# KiCad board register-motherboard.kicad_pcb (continued)
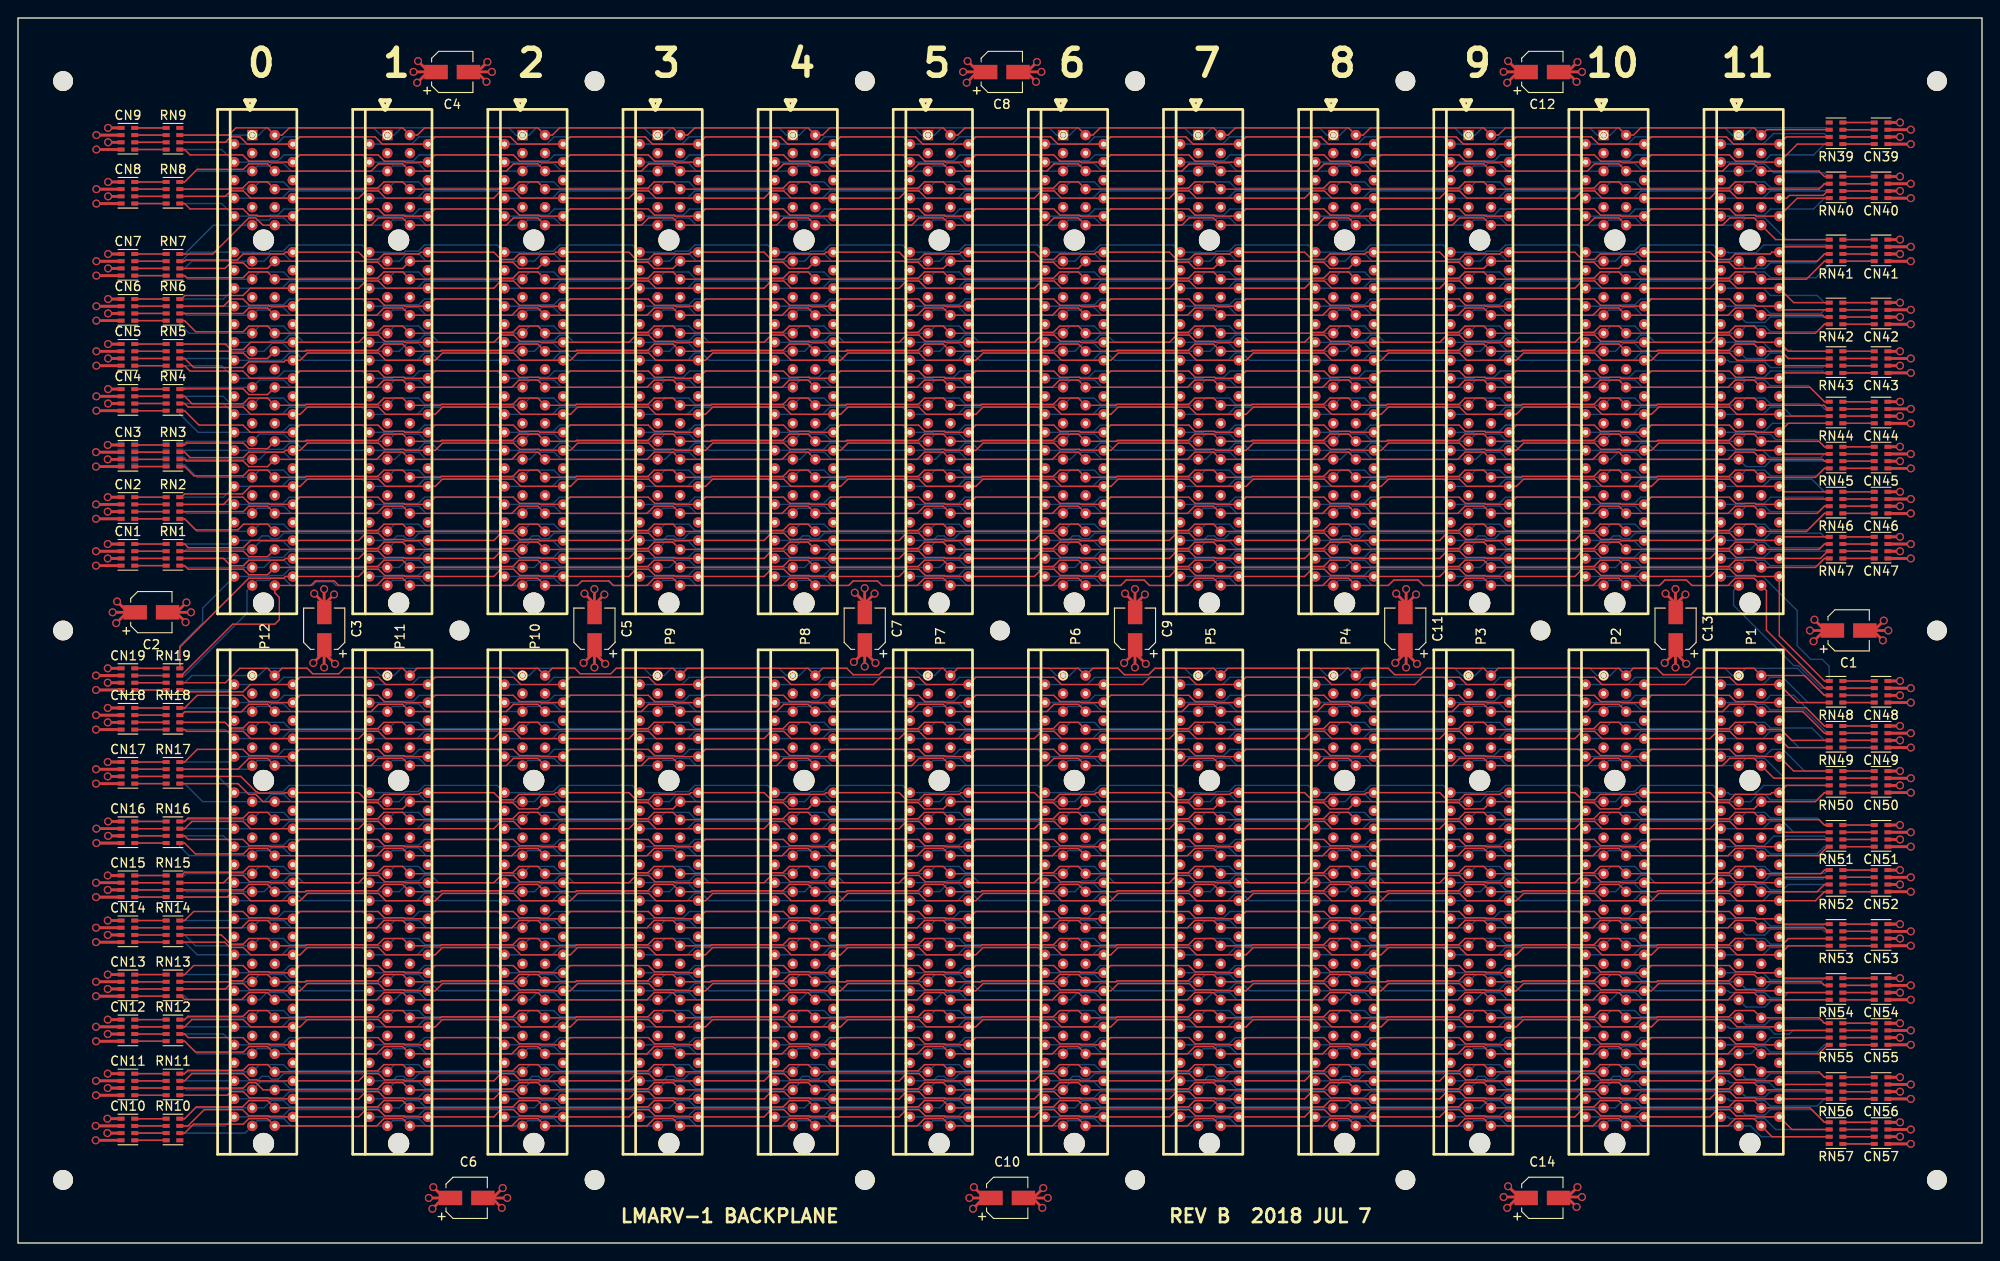
[diagram p0: board, top side]
## Nets (continued)
/rd[4]: P1.65 P2.65 P3.65 P4.65 P5.65 P6.65 P7.65 P8.65 P9.65 P10.65 P11.65 P12.65 RN35.6 RN70.7
/rd[5]: P1.64 P2.64 P3.64 P4.64 P5.64 P6.64 P7.64 P8.64 P9.64 P10.64 P11.64 P12.64 RN35.5 RN70.8
/rd[6]: P1.62 P2.62 P3.62 P4.62 P5.62 P6.62 P7.62 P8.62 P9.62 P10.62 P11.62 P12.62 RN36.8 RN69.5
/rd[7]: P1.61 P2.61 P3.61 P4.61 P5.61 P6.61 P7.61 P8.61 P9.61 P10.61 P11.61 P12.61 RN36.7 RN69.6
/rd[8]: P1.60 P2.60 P3.60 P4.60 P5.60 P6.60 P7.60 P8.60 P9.60 P10.60 P11.60 P12.60 RN36.6 RN69.7
/rd[9]: P1.59 P2.59 P3.59 P4.59 P5.59 P6.59 P7.59 P8.59 P9.59 P10.59 P11.59 P12.59 RN36.5 RN69.8
/rd[10]: P1.57 P2.57 P3.57 P4.57 P5.57 P6.57 P7.57 P8.57 P9.57 P10.57 P11.57 P12.57 RN37.8 RN68.5
/rd[11]: P1.56 P2.56 P3.56 P4.56 P5.56 P6.56 P7.56 P8.56 P9.56 P10.56 P11.56 P12.56 RN37.7 RN68.6
/rd[12]: P1.54 P2.54 P3.54 P4.54 P5.54 P6.54 P7.54 P8.54 P9.54 P10.54 P11.54 P12.54 RN37.6 RN68.7
/rd[13]: P1.53 P2.53 P3.53 P4.53 P5.53 P6.53 P7.53 P8.53 P9.53 P10.53 P11.53 P12.53 RN37.5 RN68.8
/rd[14]: P1.51 P2.51 P3.51 P4.51 P5.51 P6.51 P7.51 P8.51 P9.51 P10.51 P11.51 P12.51 RN38.8 RN67.5
/rd[15]: P1.50 P2.50 P3.50 P4.50 P5.50 P6.50 P7.50 P8.50 P9.50 P10.50 P11.50 P12.50 RN38.7 RN67.6
/rd[16]: P1.22 P2.22 P3.22 P4.22 P5.22 P6.22 P7.22 P8.22 P9.22 P10.22 P11.22 P12.22 RN24.5 RN62.8
/rd[17]: P1.21 P2.21 P3.21 P4.21 P5.21 P6.21 P7.21 P8.21 P9.21 P10.21 P11.21 P12.21 RN25.8 RN61.5
/rd[18]: P1.19 P2.19 P3.19 P4.19 P5.19 P6.19 P7.19 P8.19 P9.19 P10.19 P11.19 P12.19 RN25.7 RN61.6
/rd[19]: P1.18 P2.18 P3.18 P4.18 P5.18 P6.18 P7.18 P8.18 P9.18 P10.18 P11.18 P12.18 RN25.6 RN61.7
/rd[20]: P1.16 P2.16 P3.16 P4.16 P5.16 P6.16 P7.16 P8.16 P9.16 P10.16 P11.16 P12.16 RN25.5 RN61.8
/rd[21]: P1.15 P2.15 P3.15 P4.15 P5.15 P6.15 P7.15 P8.15 P9.15 P10.15 P11.15 P12.15 RN26.8 RN60.5
/rd[22]: P1.13 P2.13 P3.13 P4.13 P5.13 P6.13 P7.13 P8.13 P9.13 P10.13 P11.13 P12.13 RN26.7 RN60.6
/rd[23]: P1.12 P2.12 P3.12 P4.12 P5.12 P6.12 P7.12 P8.12 P9.12 P10.12 P11.12 P12.12 RN26.6 RN60.7
/rd[24]: P1.11 P2.11 P3.11 P4.11 P5.11 P6.11 P7.11 P8.11 P9.11 P10.11 P11.11 P12.11 RN26.5 RN60.8
/rd[25]: P1.10 P2.10 P3.10 P4.10 P5.10 P6.10 P7.10 P8.10 P9.10 P10.10 P11.10 P12.10 RN27.8 RN59.5
/rd[26]: P1.8 P2.8 P3.8 P4.8 P5.8 P6.8 P7.8 P8.8 P9.8 P10.8 P11.8 P12.8 RN27.7 RN59.6
/rd[27]: P1.7 P2.7 P3.7 P4.7 P5.7 P6.7 P7.7 P8.7 P9.7 P10.7 P11.7 P12.7 RN27.6 RN59.7
/rd[28]: P1.5 P2.5 P3.5 P4.5 P5.5 P6.5 P7.5 P8.5 P9.5 P10.5 P11.5 P12.5 RN27.5 RN59.8
/rd[29]: P1.4 P2.4 P3.4 P4.4 P5.4 P6.4 P7.4 P8.4 P9.4 P10.4 P11.4 P12.4 RN28.8 RN58.5
/rd[30]: P1.2 P2.2 P3.2 P4.2 P5.2 P6.2 P7.2 P8.2 P9.2 P10.2 P11.2 P12.2 RN28.7 RN58.6
/rd[31]: P1.1 P2.1 P3.1 P4.1 P5.1 P6.1 P7.1 P8.1 P9.1 P10.1 P11.1 P12.1 RN28.6 RN58.7
/rda[0]: P1.45 P2.45 P3.45 P4.45 P5.45 P6.45 P7.45 P8.45 P9.45 P10.45 P11.45 P12.45 RN20.6 RN66.7
/rda[1]: P1.46 P2.46 P3.46 P4.46 P5.46 P6.46 P7.46 P8.46 P9.46 P10.46 P11.46 P12.46 RN20.7 RN66.6
/rda[2]: P1.47 P2.47 P3.47 P4.47 P5.47 P6.47 P7.47 P8.47 P9.47 P10.47 P11.47 P12.47 RN20.8 RN66.5
/rda[3]: P1.48 P2.48 P3.48 P4.48 P5.48 P6.48 P7.48 P8.48 P9.48 P10.48 P11.48 P12.48 RN38.5 RN67.8
/rda[4]: P1.49 P2.49 P3.49 P4.49 P5.49 P6.49 P7.49 P8.49 P9.49 P10.49 P11.49 P12.49 RN38.6 RN67.7
/rs1[0]: P1.176 P2.176 P3.176 P4.176 P5.176 P6.176 P7.176 P8.176 P9.176 P10.176 P11.176 P12.176 RN14.6 RN53.7
/rs1[1]: P1.174 P2.174 P3.174 P4.174 P5.174 P6.174 P7.174 P8.174 P9.174 P10.174 P11.174 P12.174 RN14.7 RN53.6
/rs1[2]: P1.173 P2.173 P3.173 P4.173 P5.173 P6.173 P7.173 P8.173 P9.173 P10.173 P11.173 P12.173 RN14.8 RN53.5
/rs1[3]: P1.171 P2.171 P3.171 P4.171 P5.171 P6.171 P7.171 P8.171 P9.171 P10.171 P11.171 P12.171 RN15.5 RN52.8
/rs1[4]: P1.170 P2.170 P3.170 P4.170 P5.170 P6.170 P7.170 P8.170 P9.170 P10.170 P11.170 P12.170 RN15.6 RN52.7
/rs1[5]: P1.169 P2.169 P3.169 P4.169 P5.169 P6.169 P7.169 P8.169 P9.169 P10.169 P11.169 P12.169 RN15.7 RN52.6
/rs1[6]: P1.168 P2.168 P3.168 P4.168 P5.168 P6.168 P7.168 P8.168 P9.168 P10.168 P11.168 P12.168 RN15.8 RN52.5
/rs1[7]: P1.166 P2.166 P3.166 P4.166 P5.166 P6.166 P7.166 P8.166 P9.166 P10.166 P11.166 P12.166 RN16.5 RN51.8
/rs1[8]: P1.165 P2.165 P3.165 P4.165 P5.165 P6.165 P7.165 P8.165 P9.165 P10.165 P11.165 P12.165 RN16.6 RN51.7
/rs1[9]: P1.163 P2.163 P3.163 P4.163 P5.163 P6.163 P7.163 P8.163 P9.163 P10.163 P11.163 P12.163 RN16.7 RN51.6
/rs1[10]: P1.162 P2.162 P3.162 P4.162 P5.162 P6.162 P7.162 P8.162 P9.162 P10.162 P11.162 P12.162 RN16.8 RN51.5
/rs1[11]: P1.160 P2.160 P3.160 P4.160 P5.160 P6.160 P7.160 P8.160 P9.160 P10.160 P11.160 P12.160 RN17.5 RN50.8
/rs1[12]: P1.159 P2.159 P3.159 P4.159 P5.159 P6.159 P7.159 P8.159 P9.159 P10.159 P11.159 P12.159 RN17.6 RN50.7
/rs1[13]: P1.158 P2.158 P3.158 P4.158 P5.158 P6.158 P7.158 P8.158 P9.158 P10.158 P11.158 P12.158 RN17.7 RN50.6
/rs1[14]: P1.157 P2.157 P3.157 P4.157 P5.157 P6.157 P7.157 P8.157 P9.157 P10.157 P11.157 P12.157 RN17.8 RN50.5
/rs1[15]: P1.155 P2.155 P3.155 P4.155 P5.155 P6.155 P7.155 P8.155 P9.155 P10.155 P11.155 P12.155 RN18.5 RN49.8
/rs1[16]: P1.120 P2.120 P3.120 P4.120 P5.120 P6.120 P7.120 P8.120 P9.120 P10.120 P11.120 P12.120 RN5.8 RN43.5
/rs1[17]: P1.119 P2.119 P3.119 P4.119 P5.119 P6.119 P7.119 P8.119 P9.119 P10.119 P11.119 P12.119 RN6.5 RN42.8
/rs1[18]: P1.117 P2.117 P3.117 P4.117 P5.117 P6.117 P7.117 P8.117 P9.117 P10.117 P11.117 P12.117 RN6.6 RN42.7
/rs1[19]: P1.116 P2.116 P3.116 P4.116 P5.116 P6.116 P7.116 P8.116 P9.116 P10.116 P11.116 P12.116 RN6.7 RN42.6
/rs1[20]: P1.114 P2.114 P3.114 P4.114 P5.114 P6.114 P7.114 P8.114 P9.114 P10.114 P11.114 P12.114 RN6.8 RN42.5
/rs1[21]: P1.113 P2.113 P3.113 P4.113 P5.113 P6.113 P7.113 P8.113 P9.113 P10.113 P11.113 P12.113 RN7.5 RN41.8
/rs1[22]: P1.111 P2.111 P3.111 P4.111 P5.111 P6.111 P7.111 P8.111 P9.111 P10.111 P11.111 P12.111 RN7.6 RN41.7
/rs1[23]: P1.110 P2.110 P3.110 P4.110 P5.110 P6.110 P7.110 P8.110 P9.110 P10.110 P11.110 P12.110 RN7.7 RN41.6
/rs1[24]: P1.109 P2.109 P3.109 P4.109 P5.109 P6.109 P7.109 P8.109 P9.109 P10.109 P11.109 P12.109 RN7.8 RN41.5
/rs1[25]: P1.108 P2.108 P3.108 P4.108 P5.108 P6.108 P7.108 P8.108 P9.108 P10.108 P11.108 P12.108 RN8.5 RN40.8
/rs1[26]: P1.106 P2.106 P3.106 P4.106 P5.106 P6.106 P7.106 P8.106 P9.106 P10.106 P11.106 P12.106 RN8.6 RN40.7
/rs1[27]: P1.105 P2.105 P3.105 P4.105 P5.105 P6.105 P7.105 P8.105 P9.105 P10.105 P11.105 P12.105 RN8.7 RN40.6
/rs1[28]: P1.103 P2.103 P3.103 P4.103 P5.103 P6.103 P7.103 P8.103 P9.103 P10.103 P11.103 P12.103 RN8.8 RN40.5
/rs1[29]: P1.102 P2.102 P3.102 P4.102 P5.102 P6.102 P7.102 P8.102 P9.102 P10.102 P11.102 P12.102 RN9.5 RN39.8
/rs1[30]: P1.100 P2.100 P3.100 P4.100 P5.100 P6.100 P7.100 P8.100 P9.100 P10.100 P11.100 P12.100 RN9.6 RN39.7
/rs1[31]: P1.99 P2.99 P3.99 P4.99 P5.99 P6.99 P7.99 P8.99 P9.99 P10.99 P11.99 P12.99 RN9.7 RN39.6
/rs1a[0]: P1.154 P2.154 P3.154 P4.154 P5.154 P6.154 P7.154 P8.154 P9.154 P10.154 P11.154 P12.154 RN18.6 RN49.7
/rs1a[1]: P1.152 P2.152 P3.152 P4.152 P5.152 P6.152 P7.152 P8.152 P9.152 P10.152 P11.152 P12.152 RN18.7 RN49.6
/rs1a[2]: P1.151 P2.151 P3.151 P4.151 P5.151 P6.151 P7.151 P8.151 P9.151 P10.151 P11.151 P12.151 RN18.8 RN49.5
/rs1a[3]: P1.149 P2.149 P3.149 P4.149 P5.149 P6.149 P7.149 P8.149 P9.149 P10.149 P11.149 P12.149 RN19.5 RN48.8
/rs1a[4]: P1.148 P2.148 P3.148 P4.148 P5.148 P6.148 P7.148 P8.148 P9.148 P10.148 P11.148 P12.148 RN19.6 RN48.7
/rs2[0]: P1.93 P2.93 P3.93 P4.93 P5.93 P6.93 P7.93 P8.93 P9.93 P10.93 P11.93 P12.93 RN30.6 RN75.7
/rs2[1]: P1.92 P2.92 P3.92 P4.92 P5.92 P6.92 P7.92 P8.92 P9.92 P10.92 P11.92 P12.92 RN30.5 RN75.8
/rs2[2]: P1.90 P2.90 P3.90 P4.90 P5.90 P6.90 P7.90 P8.90 P9.90 P10.90 P11.90 P12.90 RN31.8 RN74.5
/rs2[3]: P1.89 P2.89 P3.89 P4.89 P5.89 P6.89 P7.89 P8.89 P9.89 P10.89 P11.89 P12.89 RN31.7 RN74.6
/rs2[4]: P1.87 P2.87 P3.87 P4.87 P5.87 P6.87 P7.87 P8.87 P9.87 P10.87 P11.87 P12.87 RN31.6 RN74.7
/rs2[5]: P1.86 P2.86 P3.86 P4.86 P5.86 P6.86 P7.86 P8.86 P9.86 P10.86 P11.86 P12.86 RN31.5 RN74.8
/rs2[6]: P1.84 P2.84 P3.84 P4.84 P5.84 P6.84 P7.84 P8.84 P9.84 P10.84 P11.84 P12.84 RN32.8 RN73.5
/rs2[7]: P1.83 P2.83 P3.83 P4.83 P5.83 P6.83 P7.83 P8.83 P9.83 P10.83 P11.83 P12.83 RN32.7 RN73.6
/rs2[8]: P1.82 P2.82 P3.82 P4.82 P5.82 P6.82 P7.82 P8.82 P9.82 P10.82 P11.82 P12.82 RN32.6 RN73.7
/rs2[9]: P1.81 P2.81 P3.81 P4.81 P5.81 P6.81 P7.81 P8.81 P9.81 P10.81 P11.81 P12.81 RN32.5 RN73.8
/rs2[10]: P1.79 P2.79 P3.79 P4.79 P5.79 P6.79 P7.79 P8.79 P9.79 P10.79 P11.79 P12.79 RN33.8 RN72.5
/rs2[11]: P1.78 P2.78 P3.78 P4.78 P5.78 P6.78 P7.78 P8.78 P9.78 P10.78 P11.78 P12.78 RN33.7 RN72.6
/rs2[12]: P1.76 P2.76 P3.76 P4.76 P5.76 P6.76 P7.76 P8.76 P9.76 P10.76 P11.76 P12.76 RN33.6 RN72.7
/rs2[13]: P1.75 P2.75 P3.75 P4.75 P5.75 P6.75 P7.75 P8.75 P9.75 P10.75 P11.75 P12.75 RN33.5 RN72.8
/rs2[14]: P1.73 P2.73 P3.73 P4.73 P5.73 P6.73 P7.73 P8.73 P9.73 P10.73 P11.73 P12.73 RN34.8 RN71.5
/rs2[15]: P1.72 P2.72 P3.72 P4.72 P5.72 P6.72 P7.72 P8.72 P9.72 P10.72 P11.72 P12.72 RN34.7 RN71.6
/rs2[16]: P1.44 P2.44 P3.44 P4.44 P5.44 P6.44 P7.44 P8.44 P9.44 P10.44 P11.44 P12.44 RN20.5 RN66.8
/rs2[17]: P1.43 P2.43 P3.43 P4.43 P5.43 P6.43 P7.43 P8.43 P9.43 P10.43 P11.43 P12.43 RN21.8 RN65.5
/rs2[18]: P1.41 P2.41 P3.41 P4.41 P5.41 P6.41 P7.41 P8.41 P9.41 P10.41 P11.41 P12.41 RN21.7 RN65.6
/rs2[19]: P1.40 P2.40 P3.40 P4.40 P5.40 P6.40 P7.40 P8.40 P9.40 P10.40 P11.40 P12.40 RN21.6 RN65.7
/rs2[20]: P1.38 P2.38 P3.38 P4.38 P5.38 P6.38 P7.38 P8.38 P9.38 P10.38 P11.38 P12.38 RN21.5 RN65.8
/rs2[21]: P1.37 P2.37 P3.37 P4.37 P5.37 P6.37 P7.37 P8.37 P9.37 P10.37 P11.37 P12.37 RN22.8 RN64.5
/rs2[22]: P1.35 P2.35 P3.35 P4.35 P5.35 P6.35 P7.35 P8.35 P9.35 P10.35 P11.35 P12.35 RN22.7 RN64.6
/rs2[23]: P1.34 P2.34 P3.34 P4.34 P5.34 P6.34 P7.34 P8.34 P9.34 P10.34 P11.34 P12.34 RN22.6 RN64.7
/rs2[24]: P1.33 P2.33 P3.33 P4.33 P5.33 P6.33 P7.33 P8.33 P9.33 P10.33 P11.33 P12.33 RN22.5 RN64.8
/rs2[25]: P1.32 P2.32 P3.32 P4.32 P5.32 P6.32 P7.32 P8.32 P9.32 P10.32 P11.32 P12.32 RN23.8 RN63.5
/rs2[26]: P1.30 P2.30 P3.30 P4.30 P5.30 P6.30 P7.30 P8.30 P9.30 P10.30 P11.30 P12.30 RN23.7 RN63.6
/rs2[27]: P1.29 P2.29 P3.29 P4.29 P5.29 P6.29 P7.29 P8.29 P9.29 P10.29 P11.29 P12.29 RN23.6 RN63.7
/rs2[28]: P1.27 P2.27 P3.27 P4.27 P5.27 P6.27 P7.27 P8.27 P9.27 P10.27 P11.27 P12.27 RN23.5 RN63.8
/rs2[29]: P1.26 P2.26 P3.26 P4.26 P5.26 P6.26 P7.26 P8.26 P9.26 P10.26 P11.26 P12.26 RN24.8 RN62.5
/rs2[30]: P1.24 P2.24 P3.24 P4.24 P5.24 P6.24 P7.24 P8.24 P9.24 P10.24 P11.24 P12.24 RN24.7 RN62.6
/rs2[31]: P1.23 P2.23 P3.23 P4.23 P5.23 P6.23 P7.23 P8.23 P9.23 P10.23 P11.23 P12.23 RN24.6 RN62.7
/rs2a[0]: P1.147 P2.147 P3.147 P4.147 P5.147 P6.147 P7.147 P8.147 P9.147 P10.147 P11.147 P12.147 RN19.7 RN48.6
/rs2a[1]: P1.146 P2.146 P3.146 P4.146 P5.146 P6.146 P7.146 P8.146 P9.146 P10.146 P11.146 P12.146 RN19.8 RN48.5
/rs2a[2]: P1.145 P2.145 P3.145 P4.145 P5.145 P6.145 P7.145 P8.145 P9.145 P10.145 P11.145 P12.145 RN1.5 RN47.8
/rs2a[3]: P1.144 P2.144 P3.144 P4.144 P5.144 P6.144 P7.144 P8.144 P9.144 P10.144 P11.144 P12.144 RN1.6 RN47.7
/rs2a[4]: P1.143 P2.143 P3.143 P4.143 P5.143 P6.143 P7.143 P8.143 P9.143 P10.143 P11.143 P12.143 RN1.7 RN47.6
/~{alu_oe}: P1.187 P2.187 P3.187 P4.187 P5.187 P6.187 P7.187 P8.187 P9.187 P10.187 P11.187 P12.187 RN12.6 RN55.7
/~{BOOT_ALU_EN}: P1.193 P2.193 P3.193 P4.193 P5.193 P6.193 P7.193 P8.193 P9.193 P10.193 P11.193 P12.193 RN11.5 RN56.8
/~{BOOT_RST}: P1.195 P2.195 P3.195 P4.195 P5.195 P6.195 P7.195 P8.195 P9.195 P10.195 P11.195 P12.195 RN10.7 RN57.6
/~{BOOT_WR}: P1.196 P2.196 P3.196 P4.196 P5.196 P6.196 P7.196 P8.196 P9.196 P10.196 P11.196 P12.196 RN10.6 RN57.7
/~{rd_bhh}: P1.121 P2.121 P3.121 P4.121 P5.121 P6.121 P7.121 P8.121 P9.121 P10.121 P11.121 P12.121 RN5.7 RN43.6
/~{rd_bhl}: P1.122 P2.122 P3.122 P4.122 P5.122 P6.122 P7.122 P8.122 P9.122 P10.122 P11.122 P12.122 RN5.6 RN43.7
/~{rd_blh}: P1.177 P2.177 P3.177 P4.177 P5.177 P6.177 P7.177 P8.177 P9.177 P10.177 P11.177 P12.177 RN14.5 RN53.8
/~{rd_bll}: P1.179 P2.179 P3.179 P4.179 P5.179 P6.179 P7.179 P8.179 P9.179 P10.179 P11.179 P12.179 RN13.8 RN54.5
/~{rd_wr}: P1.124 P2.124 P3.124 P4.124 P5.124 P6.124 P7.124 P8.124 P9.124 P10.124 P11.124 P12.124 RN5.5 RN43.8
/~{rs1_bhh}: P1.130 P2.130 P3.130 P4.130 P5.130 P6.130 P7.130 P8.130 P9.130 P10.130 P11.130 P12.130 RN4.5 RN44.8
/~{rs1_bhl}: P1.131 P2.131 P3.131 P4.131 P5.131 P6.131 P7.131 P8.131 P9.131 P10.131 P11.131 P12.131 RN3.8 RN45.5
/~{rs1_blh}: P1.182 P2.182 P3.182 P4.182 P5.182 P6.182 P7.182 P8.182 P9.182 P10.182 P11.182 P12.182 RN13.5 RN54.8
/~{rs1_bll}: P1.184 P2.184 P3.184 P4.184 P5.184 P6.184 P7.184 P8.184 P9.184 P10.184 P11.184 P12.184 RN12.8 RN55.5
/~{rs1_rd}: P1.132 P2.132 P3.132 P4.132 P5.132 P6.132 P7.132 P8.132 P9.132 P10.132 P11.132 P12.132 RN3.7 RN45.6
/~{rs2_bhh}: P1.125 P2.125 P3.125 P4.125 P5.125 P6.125 P7.125 P8.125 P9.125 P10.125 P11.125 P12.125 RN4.8 RN44.5
/~{rs2_bhl}: P1.127 P2.127 P3.127 P4.127 P5.127 P6.127 P7.127 P8.127 P9.127 P10.127 P11.127 P12.127 RN4.7 RN44.6
/~{rs2_blh}: P1.180 P2.180 P3.180 P4.180 P5.180 P6.180 P7.180 P8.180 P9.180 P10.180 P11.180 P12.180 RN13.7 RN54.6
/~{rs2_bll}: P1.181 P2.181 P3.181 P4.181 P5.181 P6.181 P7.181 P8.181 P9.181 P10.181 P11.181 P12.181 RN13.6 RN54.7
/~{rs2_rd}: P1.128 P2.128 P3.128 P4.128 P5.128 P6.128 P7.128 P8.128 P9.128 P10.128 P11.128 P12.128 RN4.6 RN44.7
Net-(CN1-Pad5): CN1.5 RN1.4
Net-(CN1-Pad6): CN1.6 RN1.3
Net-(CN1-Pad7): CN1.7 RN1.2
Net-(CN1-Pad8): CN1.8 RN1.1
Net-(CN2-Pad5): CN2.5 RN2.4
Net-(CN2-Pad6): CN2.6 RN2.3
Net-(CN2-Pad7): CN2.7 RN2.2
Net-(CN2-Pad8): CN2.8 RN2.1
Net-(CN3-Pad5): CN3.5 RN3.4
Net-(CN3-Pad6): CN3.6 RN3.3
Net-(CN3-Pad7): CN3.7 RN3.2
Net-(CN3-Pad8): CN3.8 RN3.1
Net-(CN4-Pad5): CN4.5 RN4.4
Net-(CN4-Pad6): CN4.6 RN4.3
Net-(CN4-Pad7): CN4.7 RN4.2
Net-(CN4-Pad8): CN4.8 RN4.1
Net-(CN5-Pad5): CN5.5 RN5.4
Net-(CN5-Pad6): CN5.6 RN5.3
Net-(CN5-Pad7): CN5.7 RN5.2
Net-(CN5-Pad8): CN5.8 RN5.1
Net-(CN6-Pad5): CN6.5 RN6.4
Net-(CN6-Pad6): CN6.6 RN6.3
Net-(CN6-Pad7): CN6.7 RN6.2
Net-(CN6-Pad8): CN6.8 RN6.1
Net-(CN7-Pad5): CN7.5 RN7.4
Net-(CN7-Pad6): CN7.6 RN7.3
Net-(CN7-Pad7): CN7.7 RN7.2
Net-(CN7-Pad8): CN7.8 RN7.1
Net-(CN8-Pad5): CN8.5 RN8.4
Net-(CN8-Pad6): CN8.6 RN8.3
Net-(CN8-Pad7): CN8.7 RN8.2
Net-(CN8-Pad8): CN8.8 RN8.1
Net-(CN9-Pad5): CN9.5 RN9.4
Net-(CN9-Pad6): CN9.6 RN9.3
Net-(CN9-Pad7): CN9.7 RN9.2
Net-(CN9-Pad8): CN9.8 RN9.1
Net-(CN10-Pad5): CN10.5 RN10.4
Net-(CN10-Pad6): CN10.6 RN10.3
Net-(CN10-Pad7): CN10.7 RN10.2
Net-(CN10-Pad8): CN10.8 RN10.1
Net-(CN11-Pad5): CN11.5 RN11.4
Net-(CN11-Pad6): CN11.6 RN11.3
Net-(CN11-Pad7): CN11.7 RN11.2
Net-(CN11-Pad8): CN11.8 RN11.1
Net-(CN12-Pad5): CN12.5 RN12.4
Net-(CN12-Pad6): CN12.6 RN12.3
Net-(CN12-Pad7): CN12.7 RN12.2
Net-(CN12-Pad8): CN12.8 RN12.1
Net-(CN13-Pad5): CN13.5 RN13.4
Net-(CN13-Pad6): CN13.6 RN13.3
Net-(CN13-Pad7): CN13.7 RN13.2
Net-(CN13-Pad8): CN13.8 RN13.1
Net-(CN14-Pad5): CN14.5 RN14.4
Net-(CN14-Pad6): CN14.6 RN14.3
Net-(CN14-Pad7): CN14.7 RN14.2
Net-(CN14-Pad8): CN14.8 RN14.1
Net-(CN15-Pad5): CN15.5 RN15.4
Net-(CN15-Pad6): CN15.6 RN15.3
Net-(CN15-Pad7): CN15.7 RN15.2
Net-(CN15-Pad8): CN15.8 RN15.1
Net-(CN16-Pad5): CN16.5 RN16.4
Net-(CN16-Pad6): CN16.6 RN16.3
Net-(CN16-Pad7): CN16.7 RN16.2
Net-(CN16-Pad8): CN16.8 RN16.1
Net-(CN17-Pad5): CN17.5 RN17.4
Net-(CN17-Pad6): CN17.6 RN17.3
Net-(CN17-Pad7): CN17.7 RN17.2
Net-(CN17-Pad8): CN17.8 RN17.1
Net-(CN18-Pad5): CN18.5 RN18.4
Net-(CN18-Pad6): CN18.6 RN18.3
Net-(CN18-Pad7): CN18.7 RN18.2
Net-(CN18-Pad8): CN18.8 RN18.1
Net-(CN19-Pad5): CN19.5 RN19.4
Net-(CN19-Pad6): CN19.6 RN19.3
Net-(CN19-Pad7): CN19.7 RN19.2
Net-(CN19-Pad8): CN19.8 RN19.1
Net-(CN20-Pad5): CN20.5 RN20.4
Net-(CN20-Pad6): CN20.6 RN20.3
Net-(CN20-Pad7): CN20.7 RN20.2
Net-(CN20-Pad8): CN20.8 RN20.1
Net-(CN21-Pad5): CN21.5 RN21.4
Net-(CN21-Pad6): CN21.6 RN21.3
Net-(CN21-Pad7): CN21.7 RN21.2
Net-(CN21-Pad8): CN21.8 RN21.1
Net-(CN22-Pad5): CN22.5 RN22.4
Net-(CN22-Pad6): CN22.6 RN22.3
Net-(CN22-Pad7): CN22.7 RN22.2
Net-(CN22-Pad8): CN22.8 RN22.1
Net-(CN23-Pad5): CN23.5 RN23.4
Net-(CN23-Pad6): CN23.6 RN23.3
Net-(CN23-Pad7): CN23.7 RN23.2
Net-(CN23-Pad8): CN23.8 RN23.1
Net-(CN24-Pad5): CN24.5 RN24.4
Net-(CN24-Pad6): CN24.6 RN24.3
Net-(CN24-Pad7): CN24.7 RN24.2
Net-(CN24-Pad8): CN24.8 RN24.1
Net-(CN25-Pad5): CN25.5 RN25.4
Net-(CN25-Pad6): CN25.6 RN25.3
Net-(CN25-Pad7): CN25.7 RN25.2
Net-(CN25-Pad8): CN25.8 RN25.1
Net-(CN26-Pad5): CN26.5 RN26.4
Net-(CN26-Pad6): CN26.6 RN26.3
Net-(CN26-Pad7): CN26.7 RN26.2
Net-(CN26-Pad8): CN26.8 RN26.1
Net-(CN27-Pad5): CN27.5 RN27.4
Net-(CN27-Pad6): CN27.6 RN27.3
Net-(CN27-Pad7): CN27.7 RN27.2
Net-(CN27-Pad8): CN27.8 RN27.1
Net-(CN28-Pad5): CN28.5 RN28.4
Net-(CN28-Pad6): CN28.6 RN28.3
Net-(CN28-Pad7): CN28.7 RN28.2
Net-(CN28-Pad8): CN28.8 RN28.1
Net-(CN29-Pad5): CN29.5 RN29.4
Net-(CN29-Pad6): CN29.6 RN29.3
Net-(CN29-Pad7): CN29.7 RN29.2
Net-(CN29-Pad8): CN29.8 RN29.1
Net-(CN30-Pad5): CN30.5 RN30.4
Net-(CN30-Pad6): CN30.6 RN30.3
Net-(CN30-Pad7): CN30.7 RN30.2
Net-(CN30-Pad8): CN30.8 RN30.1
Net-(CN31-Pad5): CN31.5 RN31.4
Net-(CN31-Pad6): CN31.6 RN31.3
Net-(CN31-Pad7): CN31.7 RN31.2
Net-(CN31-Pad8): CN31.8 RN31.1
Net-(CN32-Pad5): CN32.5 RN32.4
Net-(CN32-Pad6): CN32.6 RN32.3
Net-(CN32-Pad7): CN32.7 RN32.2
Net-(CN32-Pad8): CN32.8 RN32.1
Net-(CN33-Pad5): CN33.5 RN33.4
Net-(CN33-Pad6): CN33.6 RN33.3
Net-(CN33-Pad7): CN33.7 RN33.2
Net-(CN33-Pad8): CN33.8 RN33.1
Net-(CN34-Pad5): CN34.5 RN34.4
Net-(CN34-Pad6): CN34.6 RN34.3
Net-(CN34-Pad7): CN34.7 RN34.2
Net-(CN34-Pad8): CN34.8 RN34.1
Net-(CN35-Pad5): CN35.5 RN35.4
Net-(CN35-Pad6): CN35.6 RN35.3
Net-(CN35-Pad7): CN35.7 RN35.2
Net-(CN35-Pad8): CN35.8 RN35.1
Net-(CN36-Pad5): CN36.5 RN36.4
Net-(CN36-Pad6): CN36.6 RN36.3
Net-(CN36-Pad7): CN36.7 RN36.2
Net-(CN36-Pad8): CN36.8 RN36.1
Net-(CN37-Pad5): CN37.5 RN37.4
Net-(CN37-Pad6): CN37.6 RN37.3
Net-(CN37-Pad7): CN37.7 RN37.2
Net-(CN37-Pad8): CN37.8 RN37.1
Net-(CN38-Pad5): CN38.5 RN38.4
Net-(CN38-Pad6): CN38.6 RN38.3
Net-(CN38-Pad7): CN38.7 RN38.2
Net-(CN38-Pad8): CN38.8 RN38.1
Net-(CN39-Pad5): CN39.5 RN39.4
Net-(CN39-Pad6): CN39.6 RN39.3
Net-(CN39-Pad7): CN39.7 RN39.2
Net-(CN39-Pad8): CN39.8 RN39.1
Net-(CN40-Pad5): CN40.5 RN40.4
Net-(CN40-Pad6): CN40.6 RN40.3
Net-(CN40-Pad7): CN40.7 RN40.2
Net-(CN40-Pad8): CN40.8 RN40.1
Net-(CN41-Pad5): CN41.5 RN41.4
Net-(CN41-Pad6): CN41.6 RN41.3
Net-(CN41-Pad7): CN41.7 RN41.2
Net-(CN41-Pad8): CN41.8 RN41.1
Net-(CN42-Pad5): CN42.5 RN42.4
Net-(CN42-Pad6): CN42.6 RN42.3
Net-(CN42-Pad7): CN42.7 RN42.2
Net-(CN42-Pad8): CN42.8 RN42.1
Net-(CN43-Pad5): CN43.5 RN43.4
Net-(CN43-Pad6): CN43.6 RN43.3
Net-(CN43-Pad7): CN43.7 RN43.2
Net-(CN43-Pad8): CN43.8 RN43.1
Net-(CN44-Pad5): CN44.5 RN44.4
Net-(CN44-Pad6): CN44.6 RN44.3
Net-(CN44-Pad7): CN44.7 RN44.2
Net-(CN44-Pad8): CN44.8 RN44.1
Net-(CN45-Pad5): CN45.5 RN45.4
Net-(CN45-Pad6): CN45.6 RN45.3
Net-(CN45-Pad7): CN45.7 RN45.2
Net-(CN45-Pad8): CN45.8 RN45.1
Net-(CN46-Pad5): CN46.5 RN46.4
Net-(CN46-Pad6): CN46.6 RN46.3
Net-(CN46-Pad7): CN46.7 RN46.2
Net-(CN46-Pad8): CN46.8 RN46.1
Net-(CN47-Pad5): CN47.5 RN47.4
Net-(CN47-Pad6): CN47.6 RN47.3
Net-(CN47-Pad7): CN47.7 RN47.2
Net-(CN47-Pad8): CN47.8 RN47.1
Net-(CN48-Pad5): CN48.5 RN48.4
Net-(CN48-Pad6): CN48.6 RN48.3
Net-(CN48-Pad7): CN48.7 RN48.2
Net-(CN48-Pad8): CN48.8 RN48.1
Net-(CN49-Pad5): CN49.5 RN49.4
Net-(CN49-Pad6): CN49.6 RN49.3
Net-(CN49-Pad7): CN49.7 RN49.2
Net-(CN49-Pad8): CN49.8 RN49.1
Net-(CN50-Pad5): CN50.5 RN50.4
Net-(CN50-Pad6): CN50.6 RN50.3
Net-(CN50-Pad7): CN50.7 RN50.2
Net-(CN50-Pad8): CN50.8 RN50.1
Net-(CN51-Pad5): CN51.5 RN51.4
Net-(CN51-Pad6): CN51.6 RN51.3
Net-(CN51-Pad7): CN51.7 RN51.2
Net-(CN51-Pad8): CN51.8 RN51.1
Net-(CN52-Pad5): CN52.5 RN52.4
Net-(CN52-Pad6): CN52.6 RN52.3
Net-(CN52-Pad7): CN52.7 RN52.2
Net-(CN52-Pad8): CN52.8 RN52.1
Net-(CN53-Pad5): CN53.5 RN53.4
Net-(CN53-Pad6): CN53.6 RN53.3
Net-(CN53-Pad7): CN53.7 RN53.2
Net-(CN53-Pad8): CN53.8 RN53.1
Net-(CN54-Pad5): CN54.5 RN54.4
Net-(CN54-Pad6): CN54.6 RN54.3
Net-(CN54-Pad7): CN54.7 RN54.2
Net-(CN54-Pad8): CN54.8 RN54.1
Net-(CN55-Pad5): CN55.5 RN55.4
Net-(CN55-Pad6): CN55.6 RN55.3
Net-(CN55-Pad7): CN55.7 RN55.2
Net-(CN55-Pad8): CN55.8 RN55.1
Net-(CN56-Pad5): CN56.5 RN56.4
Net-(CN56-Pad6): CN56.6 RN56.3
Net-(CN56-Pad7): CN56.7 RN56.2
Net-(CN56-Pad8): CN56.8 RN56.1
Net-(CN57-Pad5): CN57.5 RN57.4
Net-(CN57-Pad6): CN57.6 RN57.3
Net-(CN57-Pad7): CN57.7 RN57.2
Net-(CN57-Pad8): CN57.8 RN57.1
Net-(CN58-Pad5): CN58.5 RN58.4
Net-(CN58-Pad6): CN58.6 RN58.3
Net-(CN58-Pad7): CN58.7 RN58.2
Net-(CN58-Pad8): CN58.8 RN58.1
Net-(CN59-Pad5): CN59.5 RN59.4
Net-(CN59-Pad6): CN59.6 RN59.3
Net-(CN59-Pad7): CN59.7 RN59.2
Net-(CN59-Pad8): CN59.8 RN59.1
Net-(CN60-Pad5): CN60.5 RN60.4
Net-(CN60-Pad6): CN60.6 RN60.3
Net-(CN60-Pad7): CN60.7 RN60.2
Net-(CN60-Pad8): CN60.8 RN60.1
Net-(CN61-Pad5): CN61.5 RN61.4
Net-(CN61-Pad6): CN61.6 RN61.3
Net-(CN61-Pad7): CN61.7 RN61.2
Net-(CN61-Pad8): CN61.8 RN61.1
Net-(CN62-Pad5): CN62.5 RN62.4
Net-(CN62-Pad6): CN62.6 RN62.3
Net-(CN62-Pad7): CN62.7 RN62.2
Net-(CN62-Pad8): CN62.8 RN62.1
Net-(CN63-Pad5): CN63.5 RN63.4
Net-(CN63-Pad6): CN63.6 RN63.3
Net-(CN63-Pad7): CN63.7 RN63.2
Net-(CN63-Pad8): CN63.8 RN63.1
Net-(CN64-Pad5): CN64.5 RN64.4
Net-(CN64-Pad6): CN64.6 RN64.3
Net-(CN64-Pad7): CN64.7 RN64.2
Net-(CN64-Pad8): CN64.8 RN64.1
Net-(CN65-Pad5): CN65.5 RN65.4
Net-(CN65-Pad6): CN65.6 RN65.3
Net-(CN65-Pad7): CN65.7 RN65.2
Net-(CN65-Pad8): CN65.8 RN65.1
Net-(CN66-Pad5): CN66.5 RN66.4
Net-(CN66-Pad6): CN66.6 RN66.3
Net-(CN66-Pad7): CN66.7 RN66.2
Net-(CN66-Pad8): CN66.8 RN66.1
Net-(CN67-Pad5): CN67.5 RN67.4
Net-(CN67-Pad6): CN67.6 RN67.3
Net-(CN67-Pad7): CN67.7 RN67.2
Net-(CN67-Pad8): CN67.8 RN67.1
Net-(CN68-Pad5): CN68.5 RN68.4
Net-(CN68-Pad6): CN68.6 RN68.3
Net-(CN68-Pad7): CN68.7 RN68.2
Net-(CN68-Pad8): CN68.8 RN68.1
Net-(CN69-Pad5): CN69.5 RN69.4
Net-(CN69-Pad6): CN69.6 RN69.3
Net-(CN69-Pad7): CN69.7 RN69.2
Net-(CN69-Pad8): CN69.8 RN69.1
Net-(CN70-Pad5): CN70.5 RN70.4
Net-(CN70-Pad6): CN70.6 RN70.3
Net-(CN70-Pad7): CN70.7 RN70.2
Net-(CN70-Pad8): CN70.8 RN70.1
Net-(CN71-Pad5): CN71.5 RN71.4
Net-(CN71-Pad6): CN71.6 RN71.3
Net-(CN71-Pad7): CN71.7 RN71.2
Net-(CN71-Pad8): CN71.8 RN71.1
Net-(CN72-Pad5): CN72.5 RN72.4
Net-(CN72-Pad6): CN72.6 RN72.3
Net-(CN72-Pad7): CN72.7 RN72.2
Net-(CN72-Pad8): CN72.8 RN72.1
Net-(CN73-Pad5): CN73.5 RN73.4
Net-(CN73-Pad6): CN73.6 RN73.3
Net-(CN73-Pad7): CN73.7 RN73.2
Net-(CN73-Pad8): CN73.8 RN73.1
Net-(CN74-Pad5): CN74.5 RN74.4
Net-(CN74-Pad6): CN74.6 RN74.3
Net-(CN74-Pad7): CN74.7 RN74.2
Net-(CN74-Pad8): CN74.8 RN74.1
Net-(CN75-Pad5): CN75.5 RN75.4
Net-(CN75-Pad6): CN75.6 RN75.3
Net-(CN75-Pad7): CN75.7 RN75.2
Net-(CN75-Pad8): CN75.8 RN75.1
Net-(CN76-Pad5): CN76.5 RN76.4
Net-(CN76-Pad6): CN76.6 RN76.3
Net-(CN76-Pad7): CN76.7 RN76.2
Net-(CN76-Pad8): CN76.8 RN76.1
Net-(RN9-Pad8): RN9.8
Net-(RN10-Pad5): RN10.5
Net-(RN28-Pad5): RN28.5
Net-(RN29-Pad8): RN29.8
Net-(RN39-Pad5): RN39.5
Net-(RN57-Pad8): RN57.8
Net-(RN58-Pad8): RN58.8
Net-(RN76-Pad5): RN76.5

## Via types
v1: diameter 0.889, hole 0.635, Top to Bottom, 236 vias

## Routing (per net, layer and track width the routed paths; a pad name or vN(x,y) marks a point on that pad's centre or on a via; arc(x,y) is an arc through that point)
GND: length 719.1
  Top w0.305: v1(10,116.2) CN8.3 ; CN8.2 v1(8.7,117) ; CN8.4 v1(8.7,115.4) ; v1(10,117.8) CN8.1 ; v1(10,108.2) CN7.3 ; CN7.2 v1(8.7,109) ; CN7.4 v1(8.7,107.4) ; v1(10,109.8) CN7.1 ; CN6.4 v1(8.7,102.4) ; CN6.2 v1(8.7,104) ; v1(10,103.2) CN6.3 ; v1(10,104.8) CN6.1 ; CN5.2 v1(8.7,99) ; v1(10,99.8) CN5.1 ; v1(10,98.2) CN5.3 ; CN5.4 v1(8.7,97.4) ; v1(10,93.2) CN4.3 ; v1(10,94.8) CN4.1 ; CN4.4 v1(8.7,92.4) ; CN4.2 v1(8.7,94) ; v1(9.96,87) 11.4,87 ; v1(9.96,88.6) 11.4,88.6 ; 11.4,87.8 v1(8.66,87.8) ; 11.4,86.2 v1(8.66,86.2) ; v1(9.96,82.8) 11.4,82.8 ; 11.4,80.4 v1(8.66,80.4) ; 11.4,82 v1(8.66,82) ; v1(9.96,81.2) 11.4,81.2 ; v1(9.96,76) 11.4,76 ; 11.4,75.2 v1(8.66,75.2) ; v1(9.96,77.6) 11.4,77.6 ; 11.4,76.8 v1(8.66,76.8) ; 11.4,63 v1(8.66,63) ; v1(9.96,63.8) 11.4,63.8 ; v1(9.96,62.2) 11.4,62.2 ; 11.4,61.4 v1(8.66,61.4) ; v1(9.96,59.4) 11.4,59.4 ; 11.4,57 v1(8.66,57) ; 11.4,58.6 v1(8.66,58.6) ; v1(9.96,57.8) 11.4,57.8 ; v1(9.96,53.4) 11.4,53.4 ; 11.4,51 v1(8.66,51) ; 11.4,52.6 v1(8.66,52.6) ; v1(9.96,51.8) 11.4,51.8 ; 11.4,40 v1(8.66,40) ; v1(9.96,40.8) 11.4,40.8 ; v1(9.96,39.2) 11.4,39.2 ; 11.4,38.4 v1(8.66,38.4) ; 11.4,35 v1(8.66,35) ; 11.4,33.4 v1(8.66,33.4) ; v1(9.96,34.2) 11.4,34.2 ; v1(9.96,35.8) 11.4,35.8 ; v1(9.96,28.2) 11.4,28.2 ; v1(9.96,29.8) 11.4,29.8 ; 11.4,29 v1(8.66,29) ; 11.4,27.4 v1(8.66,27.4) ; v1(9.96,24.8) 11.4,24.8 ; v1(9.96,23.2) 11.4,23.2 ; 11.4,22.4 v1(8.66,22.4) ; 11.4,24 v1(8.66,24) ; v1(9.96,17.2) 11.4,17.2 ; v1(9.96,18.8) 11.4,18.8 ; 11.4,18 v1(8.66,18) ; 11.4,16.4 v1(8.66,16.4) ; 11.36,13 v1(8.62,13) ; v1(9.92,13.8) 11.36,13.8 ; 11.36,11.4 v1(8.62,11.4) ; v1(9.92,12.2) 11.36,12.2 ; CN16.2 v1(8.7,46) ; CN16.4 v1(8.7,44.4) ; v1(10,45.2) CN16.3 ; v1(10,46.8) CN16.1 ; CN40.3 v1(210.1,117.6) ; v1(208.9,116.8) CN40.2 ; v1(208.9,118.4) CN40.4 ; CN40.1 v1(210.1,116) ; v1(208.9,109.8) CN41.2 ; CN41.3 v1(210.1,110.6) ; CN41.1 v1(210.1,109) ; v1(208.9,111.4) CN41.4 ; CN42.1 v1(210.1,102) ; v1(208.9,104.4) CN42.4 ; CN42.3 v1(210.1,103.6) ; v1(208.9,102.8) CN42.2 ; CN43.1 v1(210.1,96.6) ; v1(208.9,99) CN43.4 ; v1(208.9,97.4) CN43.2 ; CN43.3 v1(210.1,98.2) ; CN44.1 v1(210.1,91) ; v1(208.9,93.4) CN44.4 ; CN44.3 v1(210.1,92.6) ; v1(208.9,91.8) CN44.2 ; CN45.1 v1(210.1,86) ; v1(208.9,88.4) CN45.4 ; v1(208.9,86.8) CN45.2 ; CN45.3 v1(210.1,87.6) ; CN46.1 v1(210.1,81) ; v1(208.9,81.8) CN46.2 ; v1(208.9,83.4) CN46.4 ; CN46.3 v1(210.1,82.6) ; CN47.1 v1(210.1,76) ; v1(208.9,76.8) CN47.2 ; v1(208.9,78.4) CN47.4 ; CN47.3 v1(210.1,77.6) ; CN48.1 v1(210.1,60) ; v1(208.9,60.8) CN48.2 ; v1(208.9,62.4) CN48.4 ; CN48.3 v1(210.1,61.6) ; v1(208.9,57.4) CN49.4 ; CN49.3 v1(210.1,56.6) ; CN49.1 v1(210.1,55) ; v1(208.9,55.8) CN49.2 ; CN51.3 v1(210.1,45.6) ; CN51.1 v1(210.1,44) ; v1(208.9,46.4) CN51.4 ; v1(208.9,44.8) CN51.2 ; v1(208.9,39.8) CN52.2 ; v1(208.9,41.4) CN52.4 ; CN52.3 v1(210.1,40.6) ; CN52.1 v1(210.1,39) ; v1(208.9,33.8) CN53.2 ; CN53.3 v1(210.1,34.6) ; v1(208.9,35.4) CN53.4 ; CN53.1 v1(210.1,33) ; v1(208.9,29.4) CN54.4 ; CN54.1 v1(210.1,27) ; CN54.3 v1(210.1,28.6) ; v1(208.9,27.8) CN54.2 ; v1(208.9,22.8) CN55.2 ; v1(208.9,24.4) CN55.4 ; CN55.3 v1(210.1,23.6) ; CN55.1 v1(210.1,22) ; CN56.3 v1(210.1,17.6) ; v1(208.9,18.4) CN56.4 ; v1(208.9,16.8) CN56.2 ; CN56.1 v1(210.1,16) ; v1(208.9,13.4) CN57.4 ; CN57.3 v1(210.1,12.6) ; v1(208.9,11.8) CN57.2 ; CN57.1 v1(210.1,11) ; 171,5.1 v1(173.6,5.1) ; 171,5.1 171.9,5.1 v1(173,4) ; 171,5.1 172,5.1 v1(173.1,6.2) ; v1(113.8,6.1) 112.7,5 111.7,5 ; 111.7,5 112.6,5 v1(113.7,3.9) ; 111.7,5 v1(114.3,5) ; v1(53.7,3.9) 52.6,5 51.7,5 ; v1(53.8,6.1) 52.7,5 51.7,5 ; 51.7,5 v1(54.3,5) ; C2.2 17.6,70.02 v1(18.7,71.12) ; C2.2 v1(19.2,70.02) ; C2.2 17.5,70.02 v1(18.6,68.92) ; 50,130.02 51,130.02 v1(52.1,131.12) ; 50,130.02 v1(52.6,130.02) ; 50,130.02 50.9,130.02 v1(52,128.92) ; 111,130.02 112,130.02 v1(113.1,131.12) ; 111,130.02 v1(113.6,130.02) ; 111,130.02 111.9,130.02 v1(113,128.92) ; 171,130.02 171.9,130.02 v1(173,128.92) ; 171,130.02 172,130.02 v1(173.1,131.12) ; 171,130.02 v1(173.6,130.02) ; v1(182.88,72.1) 183.98,71 183.98,70 ; 183.98,70 183.98,70.9 v1(185.08,72) ; 183.98,70 v1(183.98,72.6) ; 154.08,70 154.08,71 v1(152.98,72.1) ; 154.08,70 v1(154.08,72.6) ; 154.08,70 154.08,70.9 v1(155.18,72) ; v1(125.08,72) 123.98,70.9 123.98,70 ; 123.98,70 123.98,71 v1(122.88,72.1) ; 123.98,70 v1(123.98,72.6) ; v1(95.08,72.1) 93.98,71 93.98,70.1 ; 93.98,70.1 93.98,71.1 v1(92.88,72.2) ; 93.98,70.1 v1(93.98,72.7) ; v1(65.08,72) 63.98,70.9 63.98,70 ; 63.98,70 63.98,71 v1(62.88,72.1) ; 63.98,70 v1(63.98,72.6) ; 33.98,70 v1(33.98,72.6) ; 33.98,70 33.98,71 v1(32.88,72.1) ; 33.98,70 33.98,70.9 v1(35.08,72) ; CN50.3 v1(210.1,51.6) ; CN50.1 v1(210.1,50) ; v1(208.9,52.4) CN50.4 ; v1(208.9,50.8) CN50.2 ; CN9.4 v1(8.7,121.4) ; CN9.2 v1(8.7,123) ; v1(208.9,124.4) CN39.4 ; CN39.3 v1(210.1,123.6) ; v1(207.1,69.1) 206,68 C1.2 ; v1(207,66.9) 205.9,68 C1.2 ; CN39.1 v1(210.1,122) ; v1(10,122.2) CN9.3 ; C1.2 v1(207.6,68) ; v1(10,123.8) CN9.1 ; v1(208.9,122.8) CN39.2
  Bottom w0.305: CN8.3 v1(10,116.2) ; v1(8.7,117) CN8.2 ; v1(8.7,115.4) CN8.4 ; CN8.1 v1(10,117.8) ; v1(8.7,109) CN7.2 ; CN7.3 v1(10,108.2) ; CN7.1 v1(10,109.8) ; v1(8.7,107.4) CN7.4 ; CN6.3 v1(10,103.2) ; CN6.1 v1(10,104.8) ; v1(8.7,102.4) CN6.4 ; v1(8.7,104) CN6.2 ; CN5.3 v1(10,98.2) ; v1(8.7,97.4) CN5.4 ; CN5.1 v1(10,99.8) ; v1(8.7,99) CN5.2 ; v1(8.7,92.4) CN4.4 ; v1(8.7,94) CN4.2 ; CN4.1 v1(10,94.8) ; CN4.3 v1(10,93.2) ; v1(8.66,86.2) 11.4,86.2 ; v1(8.66,87.8) 11.4,87.8 ; 11.4,87 v1(9.96,87) ; 11.4,88.6 v1(9.96,88.6) ; 11.4,81.2 v1(9.96,81.2) ; v1(8.66,80.4) 11.4,80.4 ; 11.4,82.8 v1(9.96,82.8) ; v1(8.66,82) 11.4,82 ; v1(8.66,76.8) 11.4,76.8 ; 11.4,76 v1(9.96,76) ; 11.4,77.6 v1(9.96,77.6) ; v1(8.66,75.2) 11.4,75.2 ; 11.4,62.2 v1(9.96,62.2) ; 11.4,63.8 v1(9.96,63.8) ; v1(8.66,61.4) 11.4,61.4 ; v1(8.66,63) 11.4,63 ; v1(8.66,58.6) 11.4,58.6 ; v1(8.66,57) 11.4,57 ; 11.4,59.4 v1(9.96,59.4) ; 11.4,57.8 v1(9.96,57.8) ; v1(8.66,51) 11.4,51 ; v1(8.66,52.6) 11.4,52.6 ; 11.4,53.4 v1(9.96,53.4) ; 11.4,51.8 v1(9.96,51.8) ; v1(8.66,40) 11.4,40 ; v1(8.66,38.4) 11.4,38.4 ; 11.4,39.2 v1(9.96,39.2) ; 11.4,40.8 v1(9.96,40.8) ; v1(8.66,35) 11.4,35 ; v1(8.66,33.4) 11.4,33.4 ; 11.4,34.2 v1(9.96,34.2) ; 11.4,35.8 v1(9.96,35.8) ; 11.4,28.2 v1(9.96,28.2) ; v1(8.66,27.4) 11.4,27.4 ; 11.4,29.8 v1(9.96,29.8) ; v1(8.66,29) 11.4,29 ; 11.4,23.2 v1(9.96,23.2) ; 11.4,24.8 v1(9.96,24.8) ; v1(8.66,24) 11.4,24 ; v1(8.66,22.4) 11.4,22.4 ; v1(8.66,18) 11.4,18 ; 11.4,17.2 v1(9.96,17.2) ; 11.4,18.8 v1(9.96,18.8) ; v1(8.66,16.4) 11.4,16.4 ; v1(8.62,13) 11.36,13 ; 11.36,13.8 v1(9.92,13.8) ; 11.36,12.2 v1(9.92,12.2) ; v1(8.62,11.4) 11.36,11.4 ; v1(8.7,46) CN16.2 ; v1(8.7,44.4) CN16.4 ; CN16.3 v1(10,45.2) ; CN16.1 v1(10,46.8) ; v1(210.1,117.6) CN40.3 ; CN40.2 v1(208.9,116.8) ; CN40.4 v1(208.9,118.4) ; v1(210.1,116) CN40.1 ; v1(210.1,109) CN41.1 ; v1(210.1,110.6) CN41.3 ; CN41.4 v1(208.9,111.4) ; CN41.2 v1(208.9,109.8) ; v1(210.1,102) CN42.1 ; CN42.2 v1(208.9,102.8) ; v1(210.1,103.6) CN42.3 ; CN42.4 v1(208.9,104.4) ; CN43.4 v1(208.9,99) ; v1(210.1,98.2) CN43.3 ; v1(210.1,96.6) CN43.1 ; CN43.2 v1(208.9,97.4) ; v1(210.1,92.6) CN44.3 ; CN44.4 v1(208.9,93.4) ; CN44.2 v1(208.9,91.8) ; v1(210.1,91) CN44.1 ; v1(210.1,87.6) CN45.3 ; CN45.2 v1(208.9,86.8) ; CN45.4 v1(208.9,88.4) ; v1(210.1,86) CN45.1 ; v1(210.1,81) CN46.1 ; CN46.4 v1(208.9,83.4) ; CN46.2 v1(208.9,81.8) ; v1(210.1,82.6) CN46.3 ; CN47.4 v1(208.9,78.4) ; CN47.2 v1(208.9,76.8) ; v1(210.1,76) CN47.1 ; v1(210.1,77.6) CN47.3 ; CN48.4 v1(208.9,62.4) ; v1(210.1,61.6) CN48.3 ; v1(210.1,60) CN48.1 ; CN48.2 v1(208.9,60.8) ; CN49.2 v1(208.9,55.8) ; v1(210.1,56.6) CN49.3 ; CN49.4 v1(208.9,57.4) ; v1(210.1,55) CN49.1 ; v1(210.1,45.6) CN51.3 ; CN51.4 v1(208.9,46.4) ; CN51.2 v1(208.9,44.8) ; v1(210.1,44) CN51.1 ; CN52.4 v1(208.9,41.4) ; v1(210.1,40.6) CN52.3 ; v1(210.1,39) CN52.1 ; CN52.2 v1(208.9,39.8) ; v1(210.1,34.6) CN53.3 ; CN53.4 v1(208.9,35.4) ; v1(210.1,33) CN53.1 ; CN53.2 v1(208.9,33.8) ; CN54.4 v1(208.9,29.4) ; v1(210.1,28.6) CN54.3 ; v1(210.1,27) CN54.1 ; CN54.2 v1(208.9,27.8) ; CN55.4 v1(208.9,24.4) ; v1(210.1,22) CN55.1 ; CN55.2 v1(208.9,22.8) ; v1(210.1,23.6) CN55.3 ; v1(210.1,17.6) CN56.3 ; CN56.2 v1(208.9,16.8) ; v1(210.1,16) CN56.1 ; CN56.4 v1(208.9,18.4) ; v1(210.1,12.6) CN57.3 ; CN57.2 v1(208.9,11.8) ; v1(210.1,11) CN57.1 ; CN57.4 v1(208.9,13.4) ; v1(210.1,51.6) CN50.3 ; CN50.4 v1(208.9,52.4) ; CN50.2 v1(208.9,50.8) ; v1(210.1,50) CN50.1 ; CN9.3 v1(10,122.2) ; CN9.1 v1(10,123.8) ; v1(8.7,121.4) CN9.4 ; CN39.2 v1(208.9,122.8) ; v1(210.1,123.6) CN39.3 ; v1(8.7,123) CN9.2 ; CN39.4 v1(208.9,124.4) ; v1(210.1,122) CN39.1
